# Altium PCB 2416_smart_charger.PcbDoc (part 2 of 2)
Units mm, origin at the board's own origin, x right, y up, seen from the top; angles counter-clockwise.
Board outline 144 x 127 mm, 2 copper layers (Top Layer, Bottom Layer), stack 1.586 mm thick; 169 components, 98 nets, 488 pads, 94 vias.
Unrouted connection lines stored in the file: 33.
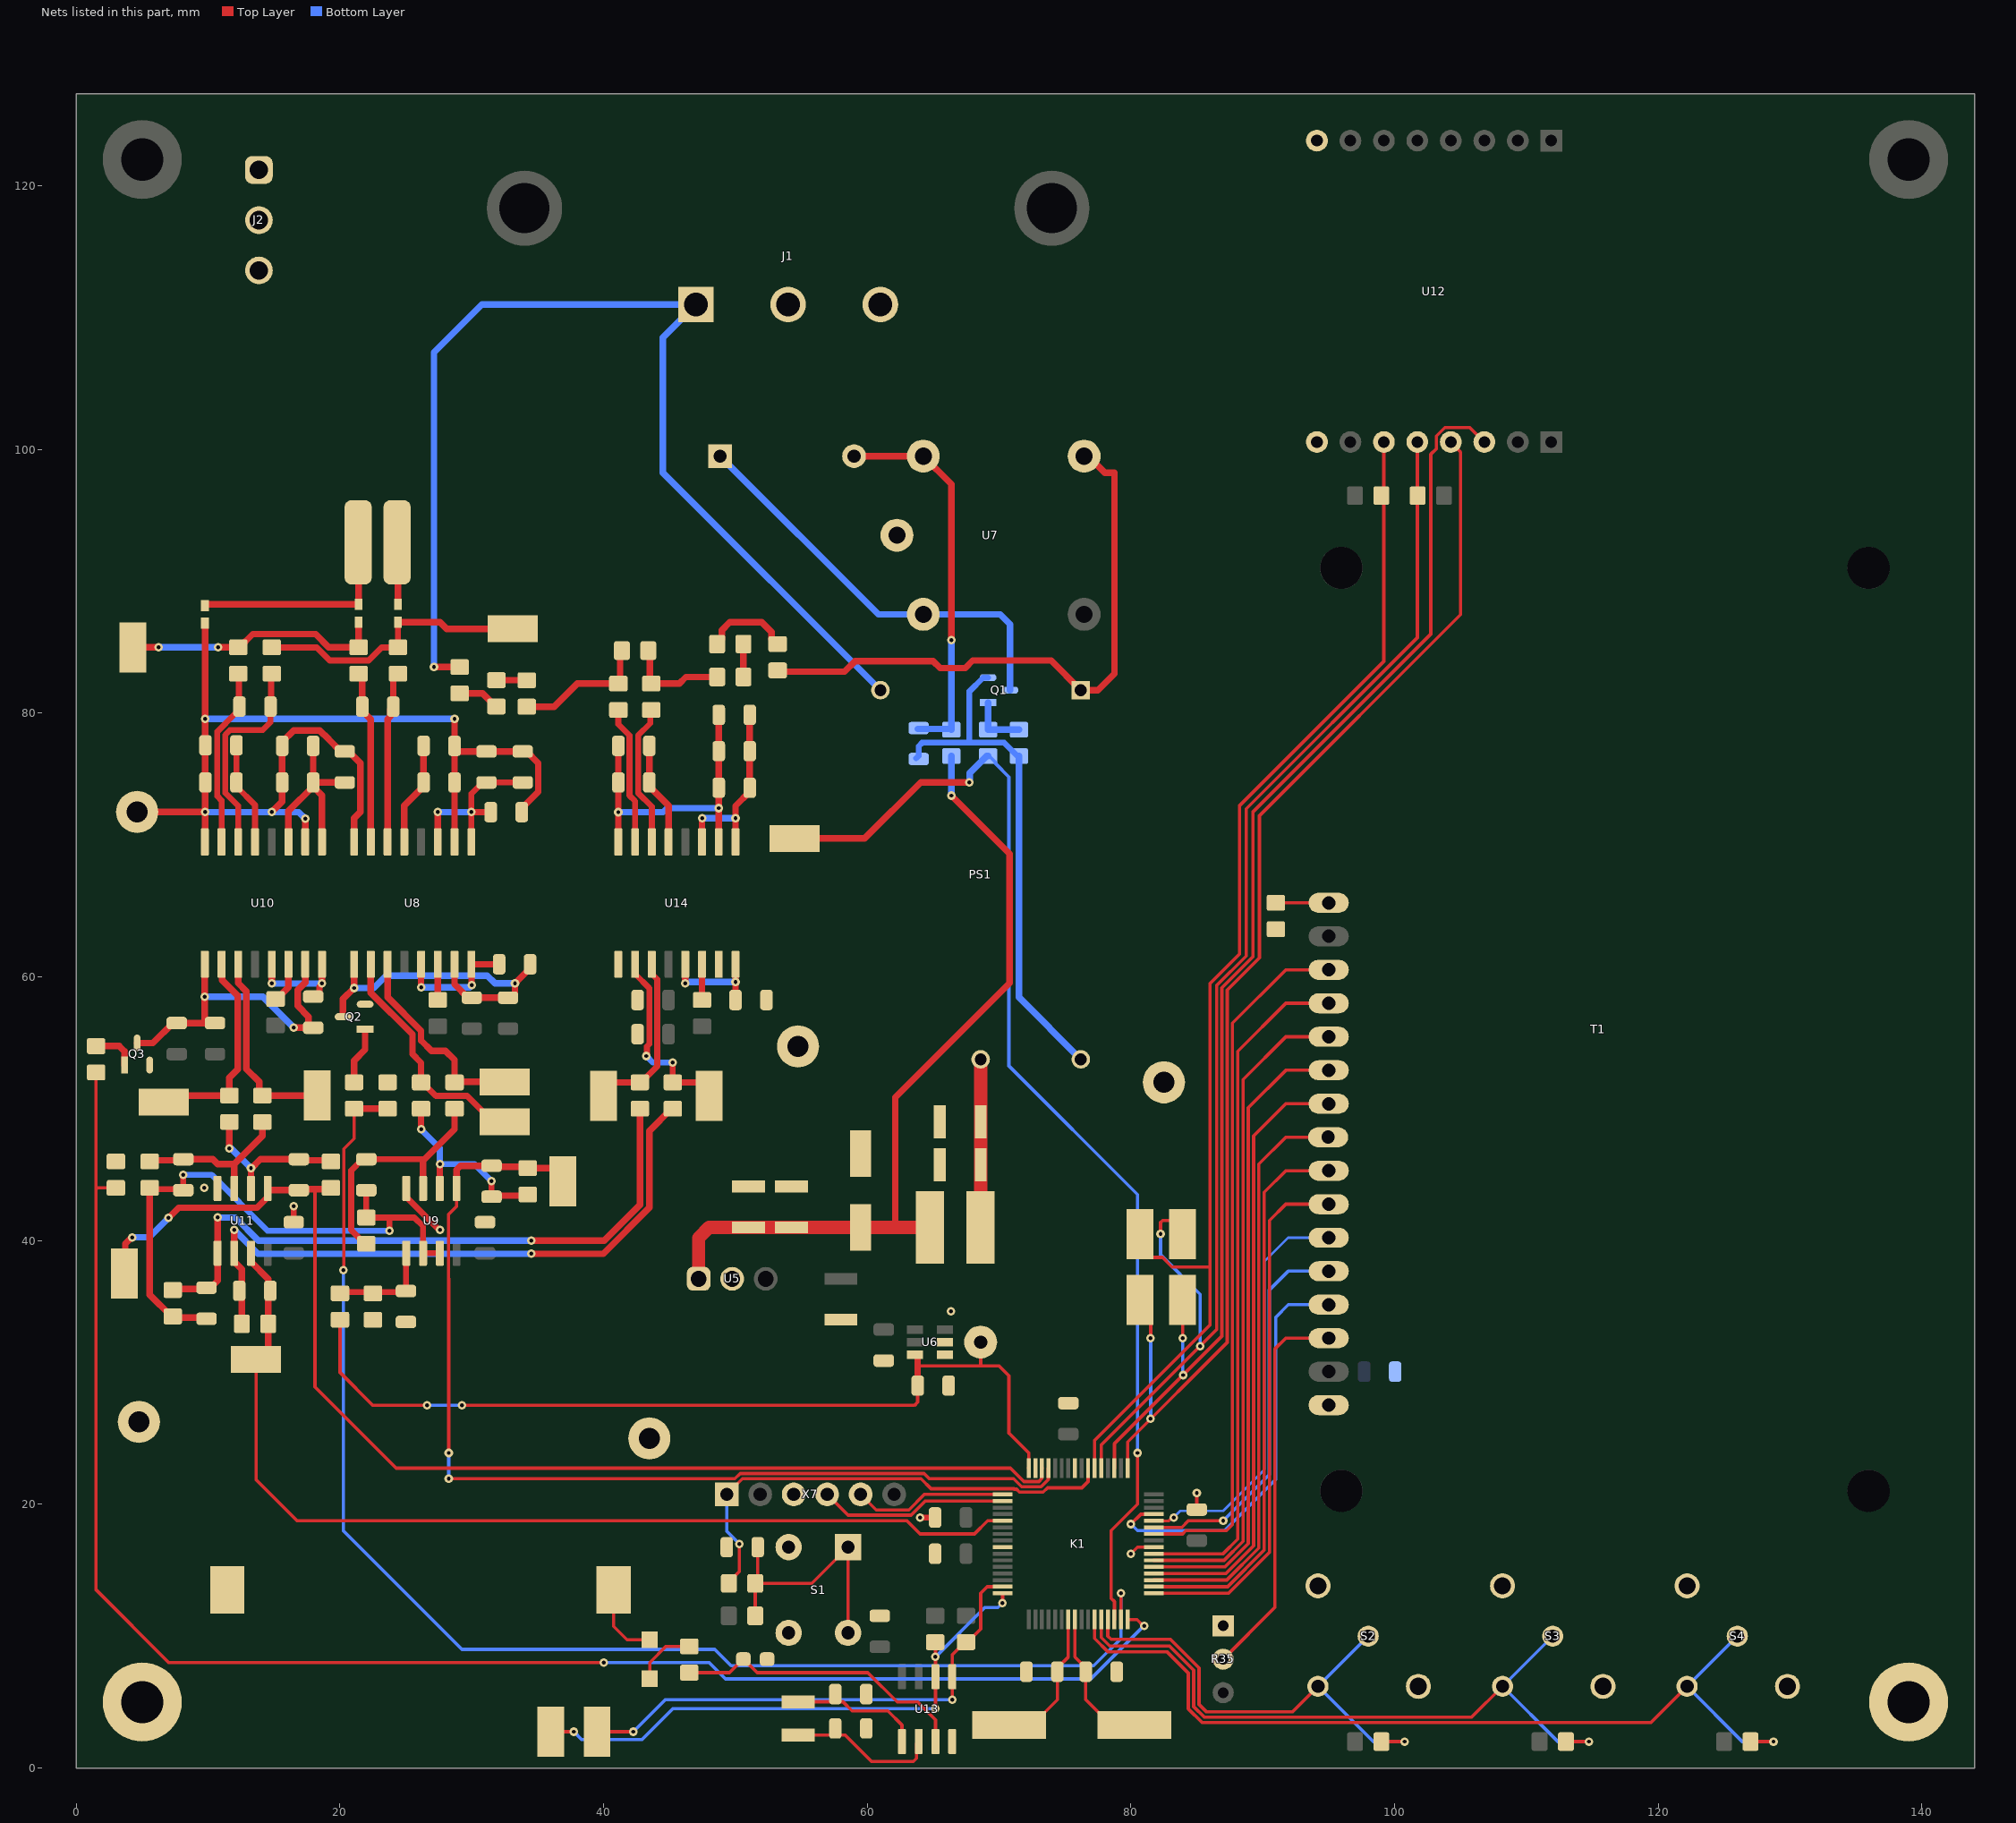
[diagram p2: the nets of this part, all layers, seen from the top]

## Via types
v1: diameter 0.65, hole 0.3, Top Layer to Bottom Layer, 94 vias

## Nets (pads, with @x,y where several pads share a name; then routed paths per layer and width w, separated by ;. In a path a pad name is that pad's centre, name@x,y a point inside that pad or via, vN(x,y) a via of type N, cw(c..) or ccw(c..) an arc to the next point about the centre after c; other vN are vias at no path point) (continued)
+12V: C3.1 C4.2 C5.2 L1.2 R1.2 U5.1 | length 62.1
  Top Layer w0.5: 62.125,41 62.125,50.868 70.79,59.533 70.79,69.335 v1(66.375,73.75)
  Top Layer w1: U5.1@47.21,37.1 47.21,40.21 48,41 C4.2@51,41 C5.2@54.25,41 C3.1@59.5,41 62.125,41 L1.2@64.75,41
  Bottom Layer w0.5: v1(66.375,73.75) R1.2@66.375,76.75
GND: BT1.2 C1.1 C2.1 C3.2 C4.1 C5.1 C6.1 C7.1 C8.1 C9.2 C13.1 C14.1 C26.1 C35.1 C36.1 C37.1 C38.1 C39.1 C40.1 C41.1 C42.1 C43.1 C44.1 C45.1 C46.1 C51.1 C54.1 C55.1 K1.9 K1.15 K1.25 K1.56 PS1.4 Q1.2 Q2.2 Q3.2 R4.1 R15.2 R16.1 R25.2 R35.1 R36.1 S1.14 S2.3 S2.4 S3.3 S3.4 S4.3 S4.4 T1.1 U1.1 U4.1 U5.2 U6.1 U6.2 U9.4 U11.4 U12.8 U12.9 U13.4 U14.9 U14.15 X1.1 X2.1 X3.1 X4.1 X7.3 | length 49.5
  Top Layer w0.25: v1(9.698,44) v1@9.746,44 ; v1(80,16.25) 80.5,16.75 K1.56@81.738,16.75 ; C39.1@85,19.6 v1(85,20.848)
  Top Layer w0.45: C13.1@16.492,41.395 v1(16.492,42.6) ; U9.4@25.036,43.955 25.036,43.305 27.54,40.801 v1(27.576,40.801) ; v1(64,19) C38.1@65.15,19
  Bottom Layer w0.45: C9.2@63.709,76.586 63.712,76.586 63.9,76.774 63.9,77.498 64.164,77.761 67.75,77.761 ; Q1.2@69.165,82.7 68.794,82.7 67.75,81.656 67.75,77.761 ; R4.1@71.4,76.75 70.389,77.761 67.75,77.761
  Bottom Layer w0.5: R4.1@71.5,76.75 71.5,58.45 PS1.4@76.2,53.75
  other v1: 66.356,34.631
"L In": J1.3 PS1.1 R39.2 U7.3 | length 45.9
  Top Layer w0.5: R39.2@53.2,83.15 58.27,83.15 59.074,83.954 65,83.954 65.529,83.425 67.425,83.425 68,84 73.95,84 PS1.1@76.2,81.75 77.5,81.75 78.75,83 78.75,98.25 78.028,98.25 76.778,99.5 U7.3@76.45,99.5
"N In": J1.1 J2.1 PS1.2 R52.1 | length 84.3
  Top Layer w0.5: v1(27.134,83.504) R52.1@29.079,83.504
  Bottom Layer w0.5: v1(27.134,83.504) 27.134,107.366 30.767,111 J1.1@47,111 44.5,108.5 44.5,98.25 PS1.2@61,81.75
NetBT1_1: BT1.1 R37.2 | length 5.9
  Top Layer w0.25: BT1.1@40.75,13.5 40.75,10.75 41.775,9.725 R37.2@43.5,9.725
NetC1_2: C1.2 C2.2 L1.1 PS1.3 | length 12.7
  Top Layer w1: L1.1@68.6,41 C2.2@68.6,45.75 C1.2@68.6,49 PS1.3@68.6,53.75
NetC9_1: C9.1 R1.1 R2.2 U7.1 | length 29.4
  Top Layer w0.5: R2.2@59,99.5 U7.1@64.25,99.5 66.375,97.375 v1(66.375,85.556)
  Bottom Layer w0.5: C9.1@63.833,78.812 66.312,78.812 R1.1@66.375,78.75 v1(66.375,85.556)
NetC10_1: C10.1 C11.1 C15.2 C17.1 C18.1 C23.1 C24.1 C27.2 C29.1 C30.1 FB3.2 U8.2 U8.8 U10.2 U10.8 X6.1 | length 89.8
  Top Layer w0.5: X6.1@4.616,72.512 4.622,72.506 9.765,72.506 v1(9.771,72.5) ; U10.8@9.746,70.24 9.771,70.265 v1(9.771,72.5) ; FB3.2@9.746,86.825 9.771,86.8 v1(9.771,79.569) 9.771,77.595 C29.1@9.796,77.57 9.771,77.545 v1(9.771,72.5) ; v1(14.826,72.512) 15.616,73.302 C24.1@15.616,74.75 C23.1@15.616,77.525 15.616,77.825 16.492,78.701 18.468,78.701 19.134,78.035 19.134,78.032 20.066,77.1 C27.2@20.366,77.1 20.666,77.1 21.542,76.224 21.542,72.512 21.071,72.041 U8.8@21.071,70.24 ; v1@17.337,72.029 v1(17.366,72) U10.2@17.366,70.24 ; U8.2@28.691,70.24 C17.1@28.691,74.75 C18.1@28.691,77.325 ; v1(28.691,79.569) C18.1@28.691,77.525 C18.1@28.691,77.325 ; C15.2@33.791,72.5 33.791,72.8 35.042,74.051 35.042,76.224 34.166,77.1 C11.1@33.866,77.1 C10.1@31.116,77.1 28.916,77.1 C18.1@28.691,77.325
  Bottom Layer w0.5: v1(9.771,72.5) 16.866,72.5 v1(17.366,72) ; v1(9.771,79.569) v1(28.691,79.569)
NetC10_2: C10.2 C11.2 C15.1 U8.1 U8.3 | length 14.2
  Top Layer w0.45: U8.1@29.961,70.24 v1(29.961,72.5) ; C15.1@31.441,72.5 v1(29.961,72.5) ; C11.2@33.866,74.75 C10.2@31.116,74.75 30.823,74.75 29.961,73.888 v1(29.961,72.5)
  Top Layer w0.5: U8.3@27.421,70.24 v1(27.421,72.5)
  Bottom Layer w0.45: v1(27.421,72.5) v1(29.961,72.5)
NetC12_1: C12.1 K1.13 R5.2 TP8.TP U9.1 | length 79.7
  Top Layer w0.25: v1(28.25,21.935) 49.958,21.935 50.359,22.336 64.306,22.336 64.707,21.935 71.098,21.935 71.709,21.323 73.18,21.323 73.725,21.868 73.725,22.713 K1.13@73.75,22.738 ; v1(28.25,23.892) 28.25,37.1 28.245,37.105 28.245,41.999 28.846,42.6 U9.1@28.846,43.955
  Top Layer w0.5: U9.1@28.846,43.955 28.846,45.382 29.138,45.675 C12.1@31.5,45.675 31.587,45.588 34.162,45.588 R5.2@34.25,45.5 36.135,45.5 36.9,44.735 TP8.TP@36.9,44.5
  Bottom Layer w0.25: v1(28.25,21.935) v1(28.25,23.892)
NetC12_2: C12.2 R5.1 R7.2 U9.2 | length 15.1
  Top Layer w0.45: v1(26.151,48.441) R7.2@26.151,50 ; U9.2@27.576,43.955 v1(27.576,45.81) ; v1(31.5,44.5) C12.2@31.5,43.325 31.588,43.412 34.162,43.412 R5.1@34.25,43.5
  Bottom Layer w0.45: v1(26.151,48.441) 27.576,47.016 v1(27.576,45.81) 30.19,45.81 v1(31.5,44.5)
NetC16_1: C16.1 C20.1 C21.1 Q2.3 U8.9 U8.15 | length 26.6
  Top Layer w0.5: Q2.3@20.235,56.978 20.235,58.324 v1(21.071,59.159) U8.9@21.071,60.96 ; U8.15@28.691,60.96 28.691,59.434 29.7,58.425 C20.1@30,58.425 C21.1@32.75,58.425 33.05,58.425 33.275,58.65 v1(33.275,59.51) 34.425,60.66 C16.1@34.425,60.96
  Bottom Layer w0.5: v1(21.071,59.159) 22.555,59.159 23.498,60.102 31.171,60.102 31.763,59.51 v1(33.275,59.51)
NetC16_2: C16.2 U8.13 U8.16 | length 9.4
  Top Layer w0.5: v1(26.151,59.204) U8.13@26.151,60.96 ; v1(30,59.376) 29.98,59.396 29.98,60.94 30,60.96 C16.2@32.075,60.96
  Bottom Layer w0.5: v1(26.151,59.204) 29.828,59.204 v1(30,59.376)
NetC17_2: C17.2 C18.2 U8.5 | length 7.9
  Top Layer w0.5: U8.5@24.881,70.24 24.881,72.99 26.341,74.45 C17.2@26.341,74.75 C18.2@26.341,77.525
NetC19_1: C19.1 R11.2 U8.7 | length 13.1
  Top Layer w0.5: R11.2@21.416,83 21.691,82.725 21.691,80.2 22.341,79.55 U8.7@22.341,70.24
NetC19_2: C19.2 R8.2 U8.6 | length 13.1
  Top Layer w0.5: U8.6@23.611,70.24 23.611,79.55 23.816,79.755 23.816,80.275 C19.2@24.041,80.5 24.041,82.65 24.391,83 R8.2@24.401,83
NetC22_2: C22.2 R10.2 R12.2 U9.3 | length 19
  Top Layer w0.45: R12.2@22,39.75 21.9,39.75 20.849,40.801 20.849,45.317 21.707,46.175 C22.2@22,46.175 26.186,46.175 26.306,46.056
  Top Layer w0.5: U9.3@26.306,43.955 26.306,46.056 28.691,48.441 R10.2@28.691,50
NetC23_2: C23.2 C24.2 C27.1 U10.1 U10.3 | length 14.9
  Top Layer w0.5: U10.3@16.096,70.24 16.096,72.58 C24.2@17.966,74.45 ; C23.2@17.966,77.525 C24.2@17.966,74.75 ; U10.1@18.636,70.24 18.636,73.78 C24.2@17.966,74.45 ; C27.1@20.366,74.75 C24.2@17.966,74.75 ; C24.2@17.966,74.45 C24.2@17.966,74.75
NetC25_1: C25.1 K1.14 R17.2 TP12.TP U11.1 | length 94.1
  Top Layer w0.25: 18.1,43.913 18.1,28.9 24.263,22.737 70.863,22.737 71.876,21.724 73.014,21.724 73.225,21.935 73.225,22.713 K1.14@73.25,22.738
  Top Layer w0.5: TP12.TP@3.65,37.5 3.709,37.56 3.709,39.75 4.209,40.25 v1(4.25,40.25) ; v1(7,41.729) 7.763,42.492 13.708,42.492 14.521,43.305 U11.1@14.521,43.875 ; U11.1@14.521,43.955 U11.1@14.521,43.875 ; R17.2@19.317,44 19.23,43.913 18.1,43.913 16.97,43.913 C25.1@16.882,43.825 14.571,43.825 U11.1@14.521,43.875
  Bottom Layer w0.5: v1(4.25,40.25) 5.521,40.25 v1(7,41.729)
NetC25_2: C25.2 R17.1 R20.2 U11.2 | length 12.2
  Top Layer w0.5: v1(11.616,47) R20.2@11.616,49 ; U11.2@13.251,43.955 v1(13.251,45.5) 13.291,45.5 13.966,46.175 C25.2@16.882,46.175 16.97,46.087 19.23,46.087 R17.1@19.317,46
  Bottom Layer w0.5: v1(11.616,47) 11.751,47 v1(13.251,45.5)
NetC26_2: C26.2 R13.1 R16.2 U9.5 | length 8
  Top Layer w0.45: R13.1@20,36 20.088,36.087 24.913,36.087 C26.2@25,36.175 25.018,36.193 25.018,39.027 U9.5@25.036,39.045
NetC28_1: C28.1 C32.1 C33.1 Q3.3 U10.9 U10.15 | length 25
  Top Layer w0.5: Q3.3@4.616,54.985 5.801,54.985 C32.1@7.316,56.5 ; C32.1@7.616,56.5 C33.1@9.876,56.5 ; U10.9@9.746,60.96 v1(9.746,58.5) 9.746,56.63 C33.1@9.876,56.5 ; C33.1@10.516,56.5 C33.1@9.876,56.5 ; v1(16.492,56.15) C28.1@17.848,56.15 ; U10.15@17.366,60.96 17.366,59.578 16.79,59.002 16.79,57.811 17.623,56.978 C28.1@17.623,56.375
  Bottom Layer w0.5: v1(9.746,58.5) 14.142,58.5 v1(16.492,56.15)
NetC28_2: C28.2 U10.13 U10.16 | length 8.2
  Top Layer w0.5: v1(14.826,59.5) U10.13@14.826,60.96 ; C28.2@17.966,58.5 18.215,58.5 18.44,58.725 18.44,59.263 18.636,59.459 v1(18.636,59.5) U10.16@18.636,60.96
  Bottom Layer w0.5: v1@14.843,59.517 v1(14.826,59.5) v1(18.636,59.5)
NetC29_2: C29.2 C30.2 U10.5 | length 7.9
  Top Layer w0.45: C29.2@12.146,77.57 C30.2@12.146,74.75 12.146,74.45 13.556,73.04 U10.5@13.556,70.24
NetC31_1: C31.1 R22.2 U10.7 | length 13.7
  Top Layer w0.45: U10.7@11.016,70.24 11.016,73.387 10.694,73.709 10.694,78.611 12.049,79.966 12.132,79.966 12.381,80.215 C31.1@12.381,80.508 12.333,80.555 12.333,82.952 R22.2@12.286,83
NetC31_2: C31.2 R19.2 U10.6 | length 16.1
  Top Layer w0.45: U10.6@12.286,70.24 12.286,72.967 11.295,73.958 11.295,78.362 11.654,78.721 14.13,78.721 14.731,79.322 C31.2@14.731,80.508 14.778,80.555 14.778,82.953 R19.2@14.826,83
NetC34_2: C34.2 R21.2 R23.2 U11.3 | length 12.6
  Top Layer w0.5: R23.2@5.566,46 5.653,46.087 8.028,46.087 C34.2@8.116,46.175 10.346,46.175 10.711,45.81 11.981,45.81 ; U11.3@11.981,43.955 11.981,45.81 ; R21.2@14.116,49 14.114,48.998 14.114,47.943 11.981,45.81
NetC35_2: C35.2 R28.1 R29.1 S1.13 | length 20
  Top Layer w0.25: R28.1@51.5,11.54 R29.1@51.5,14 ; C35.2@51.691,16.75 51.691,14.191 R29.1@51.5,14 ; S1.13@58.537,10.25 S1.13@58.537,16.75 55.787,14 R29.1@51.5,14
NetC36_2: C36.2 K1.39 Y1.1 | length 10.9
  Top Layer w0.25: Y1.1@70.75,3.25 72.5,3.25 74.25,5 74.425,5.175 C36.2@74.425,7.3 74.425,7.6 75.25,8.425 K1.39@75.25,11.262
NetC37_2: C37.2 K1.40 Y1.2 | length 10.9
  Top Layer w0.25: K1.40@75.75,11.262 75.75,8.425 76.575,7.6 C37.2@76.575,7.3 76.575,5.175 78.5,3.25 Y1.2@80.25,3.25
NetC43_2: C43.2 U13.1 Y2.1 | length 10.4
  Top Layer w0.25: Y2.1@54.75,5 54.769,5.019 57.234,5.019 C43.2@57.575,5.361 ; C43.2@57.575,5.6 C43.2@57.575,5.361 ; U13.1@62.635,2.005 62.635,3.25 61.558,4.327 58.848,4.327 58.156,5.019 57.916,5.019 C43.2@57.575,5.361
NetC44_2: C44.2 U13.2 Y2.2 | length 11.1
  Top Layer w0.25: Y2.2@54.75,2.5 C44.2@57.139,2.5 ; C44.2@57.575,3 57.575,2.841 57.916,2.5 58.326,2.5 60.326,0.5 63.5,0.5 63.73,0.73 63.73,1.83 U13.2@63.905,2.005
NetC46_2: C46.2 R38.1 U13.3 | length 22.6
  Top Layer w0.25: R38.1@46.5,7.225 49.55,7.225 50.575,8.25 C46.2@50.6,8.25 50.625,8.25 51.65,7.225 60.043,7.225 62.268,5 63.825,5 65.175,3.65 U13.3@65.175,2.005
NetC47_1: C47.1 C48.1 C50.2 C52.1 C53.1 U14.2 U14.8 | length 24.7
  Top Layer w0.5: U14.8@41.116,70.24 v1(41.116,72.495) C52.1@41.116,74.75 C53.1@41.116,77.525 ; U14.2@48.736,70.24 v1(48.736,72.8) C48.1@48.736,74.35 C50.2@48.736,77.125 C47.1@48.736,79.875
  Bottom Layer w0.5: v1(41.116,72.495) 44.505,72.495 44.81,72.8 v1(48.736,72.8)
NetC47_2: C47.2 C48.2 C50.1 U14.1 U14.3 | length 14.4
  Top Layer w0.5: U14.3@47.466,70.24 v1(47.466,72.041) ; U14.1@50.006,70.24 v1(50.006,72.041) 50.006,72.97 51.086,74.05 C48.2@51.086,74.35 C50.1@51.086,77.125 C47.2@51.086,79.875
  Bottom Layer w0.5: v1(47.466,72.041) v1(50.006,72.041)
NetC49_1: C49.1 K1.21 R42.2 TP17.TP U11.7 | length 76.9
  Top Layer w0.25: TP17.TP@13.631,31 13.631,21.869 16.75,18.75 63,18.75 64,17.75 68.125,17.75 69.125,18.75 K1.21@70.262,18.75
  Top Layer w0.5: U11.7@13.251,39.045 13.251,38.395 14.556,37.09 R42.2@14.556,33.693 14.556,31.765 13.791,31 TP17.TP@13.631,31
NetC49_2: C49.2 R42.1 R46.2 U11.6 | length 49.3
  Top Layer w0.5: v1(11.981,40.801) U11.6@11.981,39.045 11.981,38.395 12.556,37.82 R42.1@12.556,33.693 ; v1(34.5,39) 39.966,39 43.466,42.5 43.466,48.316 45.15,50 R46.2@45.25,50
  Bottom Layer w0.5: v1(11.981,40.801) 13.782,39 v1@34.473,39
NetC51_2: C51.2 U14.13 U14.16 | length 8
  Top Layer w0.5: v1(46.196,59.51) U14.13@46.196,60.96 ; C51.2@50.006,58.25 v1(50.006,59.605) U14.16@50.006,60.96
  Bottom Layer w0.5: v1(46.196,59.51) 46.26,59.51 46.355,59.605 v1(50.006,59.605)
NetC52_2: C52.2 C53.2 U14.5 | length 7.9
  Top Layer w0.5: C53.2@43.466,77.525 C52.2@43.466,74.75 43.466,74.45 44.926,72.99 U14.5@44.926,70.24
NetC56_2: C56.2 R48.2 R50.2 U11.5 | length 49.7
  Top Layer w0.5: R50.2@7.316,36.25 7.403,36.338 9.788,36.338 C56.2@9.876,36.425 10.176,36.425 10.711,36.96 U11.5@10.711,39.045 v1(10.711,41.75) ; v1(34.5,40) 40.045,40 42.75,42.705 R48.2@42.75,50
  Bottom Layer w0.5: v1(10.711,41.75) 12.059,41.75 13.809,40 v1(34.5,40)
NetFB1_1: FB1.1 R9.2 U7.4 | length 4.7
  Top Layer w0.5: R9.2@24.333,92.967 24.401,92.899 FB1.1@24.401,88.25
NetFB1_2: FB1.2 R8.1 R19.1 TP6.TP | length 21.2
  Top Layer w0.47: R19.1@14.826,85 18.246,85 19.232,84.014 22.188,84.014 23.174,85 R8.1@24.401,85 FB1.2@24.401,86.9
  Top Layer w0.5: FB1.2@24.401,86.9 27.59,86.9 28.09,86.4 TP6.TP@33.1,86.4
NetFB2_1: FB2.1 FB3.1 J2.3 R9.1 | length 16.4
  Top Layer w0.5: FB3.1@9.746,88.175 9.746,88.2 9.796,88.25 FB2.1@21.416,88.25 R9.1@21.416,92.934
NetFB2_2: FB2.2 R11.1 R22.1 TP9.TP | length 19.8
  Top Layer w0.5: TP9.TP@4.3,85 v1(6.25,85) ; v1(10.75,85) R22.1@12.286,85 12.386,85 13.387,86.001 18.145,86.001 19.146,85 R11.1@21.416,85 FB2.2@21.416,86.9
  Bottom Layer w0.5: v1(6.25,85) v1(10.75,85)
NetJ1_2: J1.2 J2.2
NetK1_1: K1.1 TP2.TP U12.13 | length 98.8
  Top Layer w0.25: K1.1@79.75,22.738 79.75,24.729 87.302,32.281 87.302,59.005 89.75,61.453 89.75,72.23 105,87.48 105,99.809 104.27,100.539 U12.13@104.27,100.57 ; TP2.TP@80.68,36.385 TP2.TP@80.68,35.5 81.5,34.68 v1(81.5,32.6)
  Bottom Layer w0.25: v1(81.5,26.5) v1(81.5,32.6)
NetK1_3: K1.3 TP1.TP U12.14 | length 98.5
  Top Layer w0.25: K1.3@78.75,22.738 78.75,24.6 v1(83.95,29.8) 86.901,32.751 86.901,59.171 89.25,61.52 89.25,72.5 102.75,86 102.75,99.641 103.168,100.06 103.168,101.026 103.814,101.672 105.708,101.672 U12.14@106.81,100.57 ; v1(83.925,32.6) TP1.TP@83.925,35.5
  Bottom Layer w0.25: v1(83.925,32.6) 83.937,32.587 83.937,29.813 v1(83.95,29.8)
NetK1_5: K1.5 R27.1 TP3.TP U12.12 | length 100.6
  Top Layer w0.25: K1.5@77.75,22.738 77.75,24.5 v1(85.25,32) 86.5,33.25 86.5,59.337 88.75,61.587 88.75,72.75 101.73,85.73 U12.12@101.73,100.57 ; v1(82.25,40.5) 82.25,41.374 82.396,41.52 83.035,41.52 83.925,40.63 TP3.TP@83.925,40.5
  Bottom Layer w0.25: v1(82.25,40.5) 82.25,38.933 85.25,35.933 v1(85.25,32)
NetK1_6: K1.6 R26.1 TP4.TP U12.11 | length 93.8
  Top Layer w0.25: K1.6@77.25,22.738 77.25,24.85 86,33.6 86,38 ; TP4.TP@80.68,40.5 80.68,39.615 81.57,38.725 82.395,38.725 83.12,38 86,38 ; U12.11@99.19,100.57 99.19,96.5 99.19,83.94 88.25,73 88.25,61.75 86,59.5 86,38
NetK1_7: K1.7 R29.2 X7.1 | length 37.1
  Top Layer w0.25: X7.1@49.34,20.75 50.525,21.935 64.077,21.935 64.836,21.176 71.114,21.176 71.14,21.15 71.316,21.15 71.543,20.922 73.347,20.922 73.674,21.25 76.276,21.25 76.75,21.724 K1.7@76.75,22.738 ; R29.2@49.5,14 49.5,14.1 50.292,14.892 v1(50.292,17)
  Bottom Layer w0.25: X7.1@49.34,20.75 49.34,17.952 v1(50.292,17)
NetK1_17: K1.17 X7.5 | length 11.7
  Top Layer w0.25: X7.5@59.5,20.75 60.676,19.574 63.157,19.574 64.333,20.75 K1.17@70.262,20.75
NetK1_18: K1.18 X7.4 | length 14.4
  Top Layer w0.25: X7.4@56.96,20.75 58.537,19.173 63.323,19.173 64.4,20.25 K1.18@70.262,20.25
NetK1_31: K1.31 R31.1 TP15.TP U13.5 | length 38.9
  Top Layer w0.25: TP15.TP@39.5,2.75 v1(42.25,2.75) ; v1(66.445,5.175) U13.5@66.445,6.915 66.445,8.585 67.4,9.54 R31.1@67.5,9.54 67.6,9.54 68.6,10.54 68.6,13.25 69.1,13.75 K1.31@70.262,13.75
  Bottom Layer w0.25: v1(42.25,2.75) 44.675,5.175 v1(66.445,5.175)
NetK1_32: K1.32 R30.1 TP14.TP U13.6 | length 43
  Top Layer w0.254: TP14.TP@36,2.75 v1(37.75,2.75) ; R30.1@65.15,9.54 65.175,9.515 v1(65.175,8.425) U13.6@65.175,6.915 v1(65.175,4.5) ; v1(70.262,12.5) K1.32@70.262,13.25
  Bottom Layer w0.254: v1(37.75,2.75) 38.353,2.147 42.897,2.147 45.25,4.5 v1(65.175,4.5) ; v1(65.175,8.425) 68.911,12.161 69.915,12.161 70.254,12.5 v1(70.262,12.5)
NetK1_43: K1.43 R34.1 S4.1 S4.2 | length 67.2
  Top Layer w0.254: K1.43@77.25,11.262 77.25,9.823 78.273,8.8 82.76,8.8 84.358,7.202 84.358,4.489 85.405,3.442 119.442,3.442 S4.2@122.19,6.19 ; R34.1@127,2 v1(128.75,2)
  Bottom Layer w0.254: S4.1@126,10 S4.2@122.19,6.19 126.38,2 v1(128.75,2)
NetK1_44: K1.44 R33.1 S3.1 S3.2 | length 52.3
  Top Layer w0.254: K1.44@77.75,11.262 77.75,9.896 78.396,9.25 82.93,9.25 84.763,7.417 84.763,4.657 85.573,3.847 105.847,3.847 S3.2@108.19,6.19 ; R33.1@113,2 v1(114.75,2)
  Bottom Layer w0.254: S3.1@112,10 S3.2@108.19,6.19 112.38,2 v1(114.75,2)
NetK1_45: K1.45 R32.1 S2.1 S2.2 | length 37.4
  Top Layer w0.25: K1.45@78.25,11.262 78.25,10 78.5,9.75 83,9.75 85.166,7.584 85.166,4.824 85.74,4.25 92.25,4.25 S2.2@94.19,6.19 ; R32.1@99,2 v1(100.75,2)
  Bottom Layer w0.25: S2.1@98,10 S2.2@94.19,6.19 98.38,2 v1(100.75,2)
NetK1_46: K1.46 R3.1 TP5.TP | length 88.8
  Top Layer w0.25: K1.46@78.75,11.262 78.75,12.619 78.5,12.869 78.5,18 80.5,20 v1(80.5,23.895)
  Top Layer w0.5: TP5.TP@54.5,70.5 59.805,70.5 64.055,74.75 v1(67.75,74.75)
  Bottom Layer w0.25: R3.1@69.165,76.75 69.251,76.75 69.724,76.277 69.724,76.19 70.75,75.165 70.75,53.25 80.5,43.5 v1(80.5,23.895)
  Bottom Layer w0.5: v1(67.75,74.75) 67.779,74.779 67.779,75.464 69.065,76.75 R3.1@69.165,76.75
NetK1_47: K1.47 R14.1 R15.1 | length 104.4
  Top Layer w0.25: v1(20.25,37.75) 20.25,37.835 20.293,37.878 20.293,46.957 21.071,47.735 R14.1@21.071,50 ; K1.47@79.25,11.262 v1(79.25,13.25)
  Top Layer w0.5: R14.1@21.071,50 R15.1@23.611,50
  Bottom Layer w0.25: v1(20.25,37.75) 20.25,18 27,11.25 29.25,9 48.425,9 49.675,7.75 77.183,7.75 79.25,9.817 v1(79.25,13.25)
NetK1_48: K1.48 R24.1 R25.1 | length 126.2
  Top Layer w0.25: R24.1@1.5,52.75 1.5,43.913 ; R25.1@3,44 1.587,44 1.5,43.913 ; v1(40,8) 7,8 1.5,13.5 1.5,43.913 ; K1.48@79.75,11.262 79.763,11.262 79.775,11.25 80.47,11.25 80.93,10.79 v1(81,10.79)
  Bottom Layer w0.25: v1(40,8) 48,8 49.25,6.75 76.96,6.75 v1(81,10.79)
NetK1_49: K1.49 T1.7 | length 40.2
  Top Layer w0.25: K1.49@81.738,13.25 87.403,13.25 90.51,16.357 90.51,41.52 91.75,42.76 T1.7@95,42.76
NetK1_50: K1.50 T1.8 | length 42.2
  Top Layer w0.25: K1.50@81.738,13.75 87.335,13.75 90.109,16.524 90.109,43.659 91.75,45.3 T1.8@95,45.3
NetK1_51: K1.51 T1.9 | length 44.2
  Top Layer w0.25: K1.51@81.738,14.25 87.268,14.25 89.708,16.69 89.708,45.798 91.75,47.84 T1.9@94.96,47.84
NetK1_52: K1.52 T1.10 | length 46.2
  Top Layer w0.25: K1.52@81.738,14.75 87.201,14.75 89.307,16.856 89.307,47.937 91.75,50.38 T1.10@95,50.38
NetK1_53: K1.53 T1.11 | length 48.2
  Top Layer w0.25: K1.53@81.738,15.25 87.134,15.25 88.906,17.022 88.906,50.076 91.75,52.92 T1.11@95,52.92
NetK1_54: K1.54 T1.12 | length 50.2
  Top Layer w0.25: K1.54@81.738,15.75 87.067,15.75 88.505,17.188 88.505,52.215 91.75,55.46 T1.12@95,55.46
NetK1_55: K1.55 T1.13 | length 52.2
  Top Layer w0.25: K1.55@81.738,16.25 87,16.25 88.104,17.354 88.104,54.354 91.75,58 T1.13@95,58
NetK1_58: K1.58 T1.14 | length 53.3
  Top Layer w0.25: K1.58@81.738,17.75 83.925,17.75 84.176,18.001 87.249,18.001 87.703,18.455 87.703,56.493 91.75,60.54 T1.14@95,60.54
NetK1_59: K1.59 T1.5 | length 29.5
  Top Layer w0.25: K1.59@81.738,18.25 83.858,18.25 84.358,18.75 v1(87,18.75)
  Bottom Layer w0.25: v1(87,18.75) 90.5,22.25 90.5,36.25 91.93,37.68 T1.5@95,37.68
NetK1_60: K1.60 T1.6 | length 31.4
  Top Layer w0.2: K1.60@81.738,18.75 82.878,18.75 83.128,19 v1(83.25,19)
  Bottom Layer w0.2: v1(83.25,19) 83.75,19.5 87,19.5 90.124,22.624 90.124,38.414 91.93,40.22 T1.6@95,40.22
NetK1_61: K1.61 T1.4 | length 31.6
  Top Layer w0.25: v1(80,18.5) 80.75,19.25 K1.61@81.738,19.25
  Bottom Layer w0.25: v1(80,18.5) 80.5,18 87.1,18 91,21.9 91,34.195 91.945,35.14 T1.4@95,35.14
NetQ1_1: Q1.1 R3.2 R4.2 | length 4.4
  Bottom Layer w0.5: Q1.1@69.165,80.8 R3.2@69.165,78.75 R4.2@71.5,78.75
NetQ1_3: Q1.3 R2.1 U7.2 | length 32.3
  Bottom Layer w0.5: R2.1@48.84,99.5 60.84,87.5 U7.2@64.25,87.5 70.085,87.5 70.835,86.75 Q1.3@70.835,81.75
NetQ2_1: Q2.1 R14.2 | length 4.4
  Top Layer w0.5: R14.2@21.071,52 21.071,53.645 21.906,54.481 Q2.1@21.906,56.028
NetQ3_1: Q3.1 R24.2 | length 3.4
  Top Layer w0.5: R24.2@1.5,54.75 3.25,54.75 3.65,54.35 3.65,53.331 Q3.1@3.666,53.315
NetR6_2: R6.2 U8.14 | length 2.7
  Top Layer w0.5: R6.2@27.421,58.25 U8.14@27.421,60.96
NetR7_1: R7.1 TP7.TP U8.10 | length 18.1
  Top Layer w0.45: R7.1@26.151,52 26.251,52 27.275,50.976 29.639,50.976 31.615,49 TP7.TP@32.5,49
  Top Layer w0.5: U8.10@22.341,60.96 22.341,58.808 25.5,55.649 25.5,54.142 26.151,53.492 R7.1@26.151,52
NetR10_1: R10.1 TP10.TP U8.11 | length 15.5
  Top Layer w0.5: U8.11@23.611,60.96 23.611,58.464 26.151,55.924 26.151,55.182 26.941,54.392 28,54.392 28.691,53.702 R10.1@28.691,52 28.728,52.037 TP10.TP@32.5,52.037
NetR18_2: R18.2 U10.14 | length 3.1
  Top Layer w0.5: R18.2@15.116,58.324 15.216,58.324 16.096,59.204 U10.14@16.096,60.96
NetR20_1: R20.1 TP11.TP U10.10 | length 15.9
  Top Layer w0.5: TP11.TP@6.616,50.5 7.116,51 R20.1@11.616,51 11.616,52.362 12.254,53 12.254,58.572 11.066,59.76 11.066,60.91 U10.10@11.016,60.96
NetR21_1: R21.1 TP13.TP U10.11 | length 14.9
  Top Layer w0.5: U10.11@12.286,60.96 12.286,59.534 12.905,58.915 12.905,53.013 13.88,52.037 13.88,51.235 R21.1@14.116,51 TP13.TP@18.266,51
NetR35_2: R35.2 T1.3 | length 29.6
  Top Layer w0.25: R35.2@87,8.25 90.911,12.161 90.911,31.761 91.75,32.6 T1.3@95,32.6
NetR36_2: R36.2 T1.16 | length 4
  Top Layer w0.25: R36.2@91,65.62 T1.16@95,65.62
NetR37_1: R37.1 R38.2 | length 4.7
  Top Layer w0.25: R37.1@43.5,6.775 43.5,8 44.725,9.225 R38.2@46.5,9.225
NetR39_1: R39.1 R40.2 | length 6.7
  Top Layer w0.5: R40.2@48.611,85.25 48.961,85.6 48.961,86.293 49.568,86.9 52,86.9 52.75,86.15 52.75,85.6 53.1,85.25 R39.1@53.2,85.25
NetR40_1: R40.1 R41.2 | length 2.5
  Top Layer w0.5: R41.2@50.611,82.75 R40.1@50.611,85.25
NetR41_1: R41.1 R44.2 R45.1 | length 7.8
  Top Layer w0.5: R44.2@43.386,84.75 43.501,84.635 43.501,82.365 R45.1@43.616,82.25 45.738,82.25 46.238,82.75 R41.1@48.611,82.75
NetR43_2: R43.2 U14.14 | length 2.7
  Top Layer w0.5: R43.2@47.466,58.25 U14.14@47.466,60.96
NetR44_1: R44.1 R47.1 R49.2 | length 10.3
  Top Layer w0.5: R49.2@34.166,80.5 36.25,80.5 38,82.25 R47.1@41.116,82.25 41.251,82.385 41.251,84.615 R44.1@41.386,84.75
NetR45_2: R45.2 U14.6 | length 10.9
  Top Layer w0.45: R45.2@43.616,80.25 43.537,80.171 43.537,79.239 42.615,78.317 42.615,73.958 43.656,72.917 U14.6@43.656,70.24
NetR46_1: R46.1 TP16.TP U14.10 | length 14.5
  Top Layer w0.45: U14.10@42.386,60.96 42.386,60.23 43.466,59.15 43.466,54.903 43.288,54.726 43.288,54.038 v1(43.25,54) ; v1(45.25,53.5) R46.1@45.25,52 47.21,52 48,51.21 TP16.TP@48,50.976
  Bottom Layer w0.45: v1(43.25,54) 43.75,53.5 v1(45.25,53.5)
NetR47_2: R47.2 U14.7 | length 10.6
  Top Layer w0.45: R47.2@41.116,80.275 41.116,79.168 41.967,78.317 41.967,73.756 42.386,73.337 U14.7@42.386,70.24
NetR48_1: R48.1 TP18.TP U14.11 | length 13
  Top Layer w0.45: TP18.TP@40,50.976 40,51.21 40.79,52 R48.1@42.75,52 42.85,52 44.067,53.217 44.067,59.819 43.656,60.23 U14.11@43.656,60.96
NetR49_1: R49.1 R51.2 | length 2.3
  Top Layer w0.5: R51.2@31.866,82.508 31.87,82.504 34.162,82.504 R49.1@34.166,82.5
NetR51_1: R51.1 R52.2 | length 2.9
  Top Layer w0.5: R52.2@29.366,81.508 30.816,81.508 31.416,80.908 31.416,80.858 31.766,80.508 R51.1@31.866,80.508
V_Offset: C22.1 C34.1 C56.1 R12.1 R23.1 R50.1 U9.6 U9.7 | length 45.4
  Top Layer w0.45: R23.1@5.566,44 5.653,43.913 8.028,43.913 C34.1@8.116,43.825 v1(8.116,45) ; C22.1@22,43.825 R12.1@22,41.75 23.821,41.75 ; v1(23.75,40.75) 23.75,41.679 23.821,41.75 ; U9.7@27.576,39.045 U9.6@26.306,39.045 26.306,41.087 25.642,41.75 23.821,41.75
  Top Layer w0.5: R23.1@5.566,44 5.566,35.9 7.216,34.25 R50.1@7.316,34.25 7.403,34.163 9.788,34.163 C56.1@9.876,34.075
  Bottom Layer w0.45: v1(8.116,45) 10.259,45 14.509,40.75 v1(23.75,40.75)
VREF: C8.2 K1.16 R13.2 U6.6 X5.1 | length 69.4
  Top Layer w0.25: R13.2@20,34 20,30 22.5,27.5 v1(26.619,27.5) ; v1(29.25,27.5) 63.575,27.5 63.825,27.75 C8.2@63.825,29 ; 63.825,30.5 68.6,30.5 ; X5.1@68.6,32.3 68.6,30.5 ; K1.16@72.225,22.763 K1.16@72.25,22.738 72.25,23.895 70.838,25.307 70.75,25.395 70.75,29.75 70,30.5 68.6,30.5
  Top Layer w0.5: U6.6@63.607,31.35 63.745,31.35 63.825,31.27 63.825,30.5 C8.2@63.825,29
  Bottom Layer w0.25: v1(26.619,27.5) v1(29.25,27.5)
pads on no net: J1.4 J1.5 K1.2 K1.4 K1.8 K1.11 K1.12 K1.20 K1.22 K1.23 K1.24 K1.27 K1.28 K1.29 K1.30 K1.33 K1.34 K1.35 K1.36 K1.37 K1.38 K1.41 K1.42 K1.62 K1.63 K1.64 T1. U2.1 U3.1 U6.3 U6.5 U7.5 U8.4 U10.4 U12.1 U12.2 U12.3 U12.4 U12.5 U12.6 U12.10 U12.15 U12.16 U13.7 U14.4 X7.6

## Polygon pours and split planes (outlines as drawn)
NetFB1_1 on Top Layer "L_MES" (solid, pour order 12): 23.611,89.936 23.624,89.936 24.041,89.5 62,89.5 64,91.5 64,94.5 61.75,96.75 24.041,96.75 23.637,96.347 23.611,96.347
GND on Top Layer "GND_TOP" (solid, remove dead copper, pour order 14): 0,62.5 0,0 144,0 144,98 116.5,98 116.5,127 86.5,127 86.5,62.5
NetFB2_1 on Top Layer "L_OUT" (solid, pour order 10): 22,89.936 21.564,89.5 0,89.5 0,115 17.25,115 22,110.25
NetJ1_2 on Top Layer "EARTH_NET" (solid, pour order 8): 0,127 0,121 0,116 17.25,116 23.05,121.8 48.2,121.8 51.25,118.75 51.25,110 52.5,108.75 55.5,108.75 56.75,110 56.75,127
"L In" on Top Layer "L_IN" (solid, pour order 11): 57.75,127 57.75,105 60.25,102.5 72.5,102.5 73.75,101.25 73.75,98.75 75,97.5 80,97.5 80,127
GND on Bottom Layer "GND_BOTTOM" (solid, remove dead copper, pour order 15): -0.007,62.487 0,62.48 0,0 144,0 144,98 116.5,98 116.5,127 86.5,127 86.5,62.5 0,62.5
"N In" on Bottom Layer "N_NET" (solid, pour order 13): 0,127 0,105.5 80,105.5 80,127

## Keep-outs
Keep-Out Layer:
  rectangle: 72,62.5 80,69
  rectangle: 116.5,98 144,127
  rectangle: 0,62.5 70.389,69
  rectangle: 80,62.5 86.5,127

## Silkscreen, mask and mechanical layers (free items; w line width, h text height)
Top Overlay:
  text "N" at 20,120.5 h2
  text "E" at 20,116.5 h2
  text "Lout" at 20,112.5 h2
  text "2416B SmartCharger" at 88.943,62.75 h2 r90
  text "Thomas Mlynek" at 12.862,24.666 h2
Drill Drawing:
  drawing of 165 lines, arcs and shapes, not listed
  text "Symbol" at -52.124,201.384 h1.83
  text "Count" at -39.274,201.384 h1.83
  text "Hole Size" at -24.292,201.384 h1.83
  text "Plated" at 4.909,201.384 h1.83
  text "Hole Type" at 17.758,201.384 h1.83
  text "Drill Layer Pair" at 36.397,201.384 h1.83
  text "Via/Pad" at 74.486,201.384 h1.83
  text "Pad Shape" at 89.468,201.384 h1.83
  text "Template" at 108.411,201.384 h1.83
  text "Description" at 133.042,201.384 h1.83
  text "Hole Tolerance (+)" at 154.728,201.384 h1.83
  text "Hole Tolerance (-)" at 188.601,201.384 h1.83
  text "2" at -39.274,197.574 h1.52
  text "149.61mil (3.800mm)" at -24.292,197.574 h1.52
  text "PTH" at 4.909,197.574 h1.52
  text "Round" at 17.758,197.574 h1.52
  text "Top Layer - Bottom Layer" at 36.397,197.574 h1.52
  text "Pad" at 74.486,197.574 h1.52
  text "Rounded" at 89.468,197.574 h1.52
  text "c570h380" at 108.411,197.574 h1.52
  text "3" at -39.274,193.764 h1.52
  text "31.50mil (0.800mm)" at -24.292,193.764 h1.52
  text "PTH" at 4.909,193.764 h1.52
  text "Round" at 17.758,193.764 h1.52
  text "Top Layer - Bottom Layer" at 36.397,193.764 h1.52
  text "Pad" at 74.486,193.764 h1.52
  text "(Mixed)" at 89.468,193.764 h1.52
  text "(Mixed)" at 108.411,193.764 h1.52
  text "3" at -39.274,189.954 h1.52
  text "47.24mil (1.200mm)" at -24.292,189.954 h1.52
  text "PTH" at 4.909,189.954 h1.52
  text "Round" at 17.758,189.954 h1.52
  text "Top Layer - Bottom Layer" at 36.397,189.954 h1.52
  text "Pad" at 74.486,189.954 h1.52
  text "(Mixed)" at 89.468,189.954 h1.52
  text "(Mixed)" at 108.411,189.954 h1.52
  text "3" at -39.274,186.144 h1.52
  text "55.12mil (1.400mm)" at -24.292,186.144 h1.52
  text "PTH" at 4.909,186.144 h1.52
  text "Round" at 17.758,186.144 h1.52
  text "Top Layer - Bottom Layer" at 36.397,186.144 h1.52
  text "Pad" at 74.486,186.144 h1.52
  text "(Mixed)" at 89.468,186.144 h1.52
  text "(Mixed)" at 108.411,186.144 h1.52
  text "3" at -39.274,182.334 h1.52
  text "70.87mil (1.800mm)" at -24.292,182.334 h1.52
  text "PTH" at 4.909,182.334 h1.52
  text "Round" at 17.758,182.334 h1.52
  text "Top Layer - Bottom Layer" at 36.397,182.334 h1.52
  text "Pad" at 74.486,182.334 h1.52
  text "(Mixed)" at 89.468,182.334 h1.52
  text "(Mixed)" at 108.411,182.334 h1.52
  text "4" at -39.274,178.524 h1.52
  text "35.43mil (0.900mm)" at -24.292,178.524 h1.52
  text "PTH" at 4.909,178.524 h1.52
  text "Round" at 17.758,178.524 h1.52
  text "Top Layer - Bottom Layer" at 36.397,178.524 h1.52
  text "Pad" at 74.486,178.524 h1.52
  text "(Mixed)" at 89.468,178.524 h1.52
  text "(Mixed)" at 108.411,178.524 h1.52
  text "4" at -39.274,174.714 h1.52
  text "125.98mil (3.200mm)" at -24.292,174.714 h1.52
  text "NPTH" at 4.909,174.714 h1.52
  text "Round" at 17.758,174.714 h1.52
  text "Top Layer - Bottom Layer" at 36.397,174.714 h1.52
  text "Pad" at 74.486,174.714 h1.52
  text "Rounded" at 89.468,174.714 h1.52
  text "c320hn320" at 108.411,174.714 h1.52
  text "4" at -39.274,170.904 h1.52
  text "125.98mil (3.200mm)" at -24.292,170.904 h1.52
  text "PTH" at 4.909,170.904 h1.52
  text "Round" at 17.758,170.904 h1.52
  text "Top Layer - Bottom Layer" at 36.397,170.904 h1.52
  text "Pad" at 74.486,170.904 h1.52
  text "Rounded" at 89.468,170.904 h1.52
  text "c600h320p0" at 108.411,170.904 h1.52
  text "5" at -39.274,167.094 h1.52
  text "62.99mil (1.600mm)" at -24.292,167.094 h1.52
  text "PTH" at 4.909,167.094 h1.52
  text "Round" at 17.758,167.094 h1.52
  text "Top Layer - Bottom Layer" at 36.397,167.094 h1.52
  text "Pad" at 74.486,167.094 h1.52
  text "Rounded" at 89.468,167.094 h1.52
  text "c320h160p0" at 108.411,167.094 h1.52
  text "11" at -39.274,163.284 h1.52
  text "51.18mil (1.300mm)" at -24.292,163.284 h1.52
  text "PTH" at 4.909,163.284 h1.52
  text "Round" at 17.758,163.284 h1.52
  text "Top Layer - Bottom Layer" at 36.397,163.284 h1.52
  text "Pad" at 74.486,163.284 h1.52
  text "Rounded" at 89.468,163.284 h1.52
  text "(Mixed)" at 108.411,163.284 h1.52
  text "16" at -39.274,159.474 h1.52
  text "35.00mil (0.889mm)" at -24.292,159.474 h1.52
  text "PTH" at 4.909,159.474 h1.52
  text "Round" at 17.758,159.474 h1.52
  text "Top Layer - Bottom Layer" at 36.397,159.474 h1.52
  text "Pad" at 74.486,159.474 h1.52
  text "(Mixed)" at 89.468,159.474 h1.52
  text "(Mixed)" at 108.411,159.474 h1.52
  text "16" at -39.274,155.664 h1.52
  text "40.00mil (1.016mm)" at -24.292,155.664 h1.52
  text "PTH" at 4.909,155.664 h1.52
  text "Round" at 17.758,155.664 h1.52
  text "Top Layer - Bottom Layer" at 36.397,155.664 h1.52
  text "Pad" at 74.486,155.664 h1.52
  text "Rounded" at 89.468,155.664 h1.52
  text "r305_152h102r76" at 108.411,155.664 h1.52
  text "19" at -39.274,151.854 h1.52
  text "39.37mil (1.000mm)" at -24.292,151.854 h1.52
  text "PTH" at 4.909,151.854 h1.52
  text "Round" at 17.758,151.854 h1.52
  text "Top Layer - Bottom Layer" at 36.397,151.854 h1.52
  text "Pad" at 74.486,151.854 h1.52
  text "(Mixed)" at 89.468,151.854 h1.52
  text "(Mixed)" at 108.411,151.854 h1.52
  text "94" at -39.274,148.044 h1.52
  text "11.81mil (0.300mm)" at -24.292,148.044 h1.52
  text "PTH" at 4.909,148.044 h1.52
  text "Round" at 17.758,148.044 h1.52
  text "Top Layer - Bottom Layer" at 36.397,148.044 h1.52
  text "Via" at 74.486,148.044 h1.52
  text "Rounded" at 89.468,148.044 h1.52
  text "v65h30" at 108.411,148.044 h1.52
  text "187 Total" at -39.274,144.234 h1.52
M27:
  lines w0.254: 0,0 144,0 ; 0,0 0,127 144,127 144,0 ; 0,0 144,0